# KiCad board kup-lulz.kicad_pcb (continued)
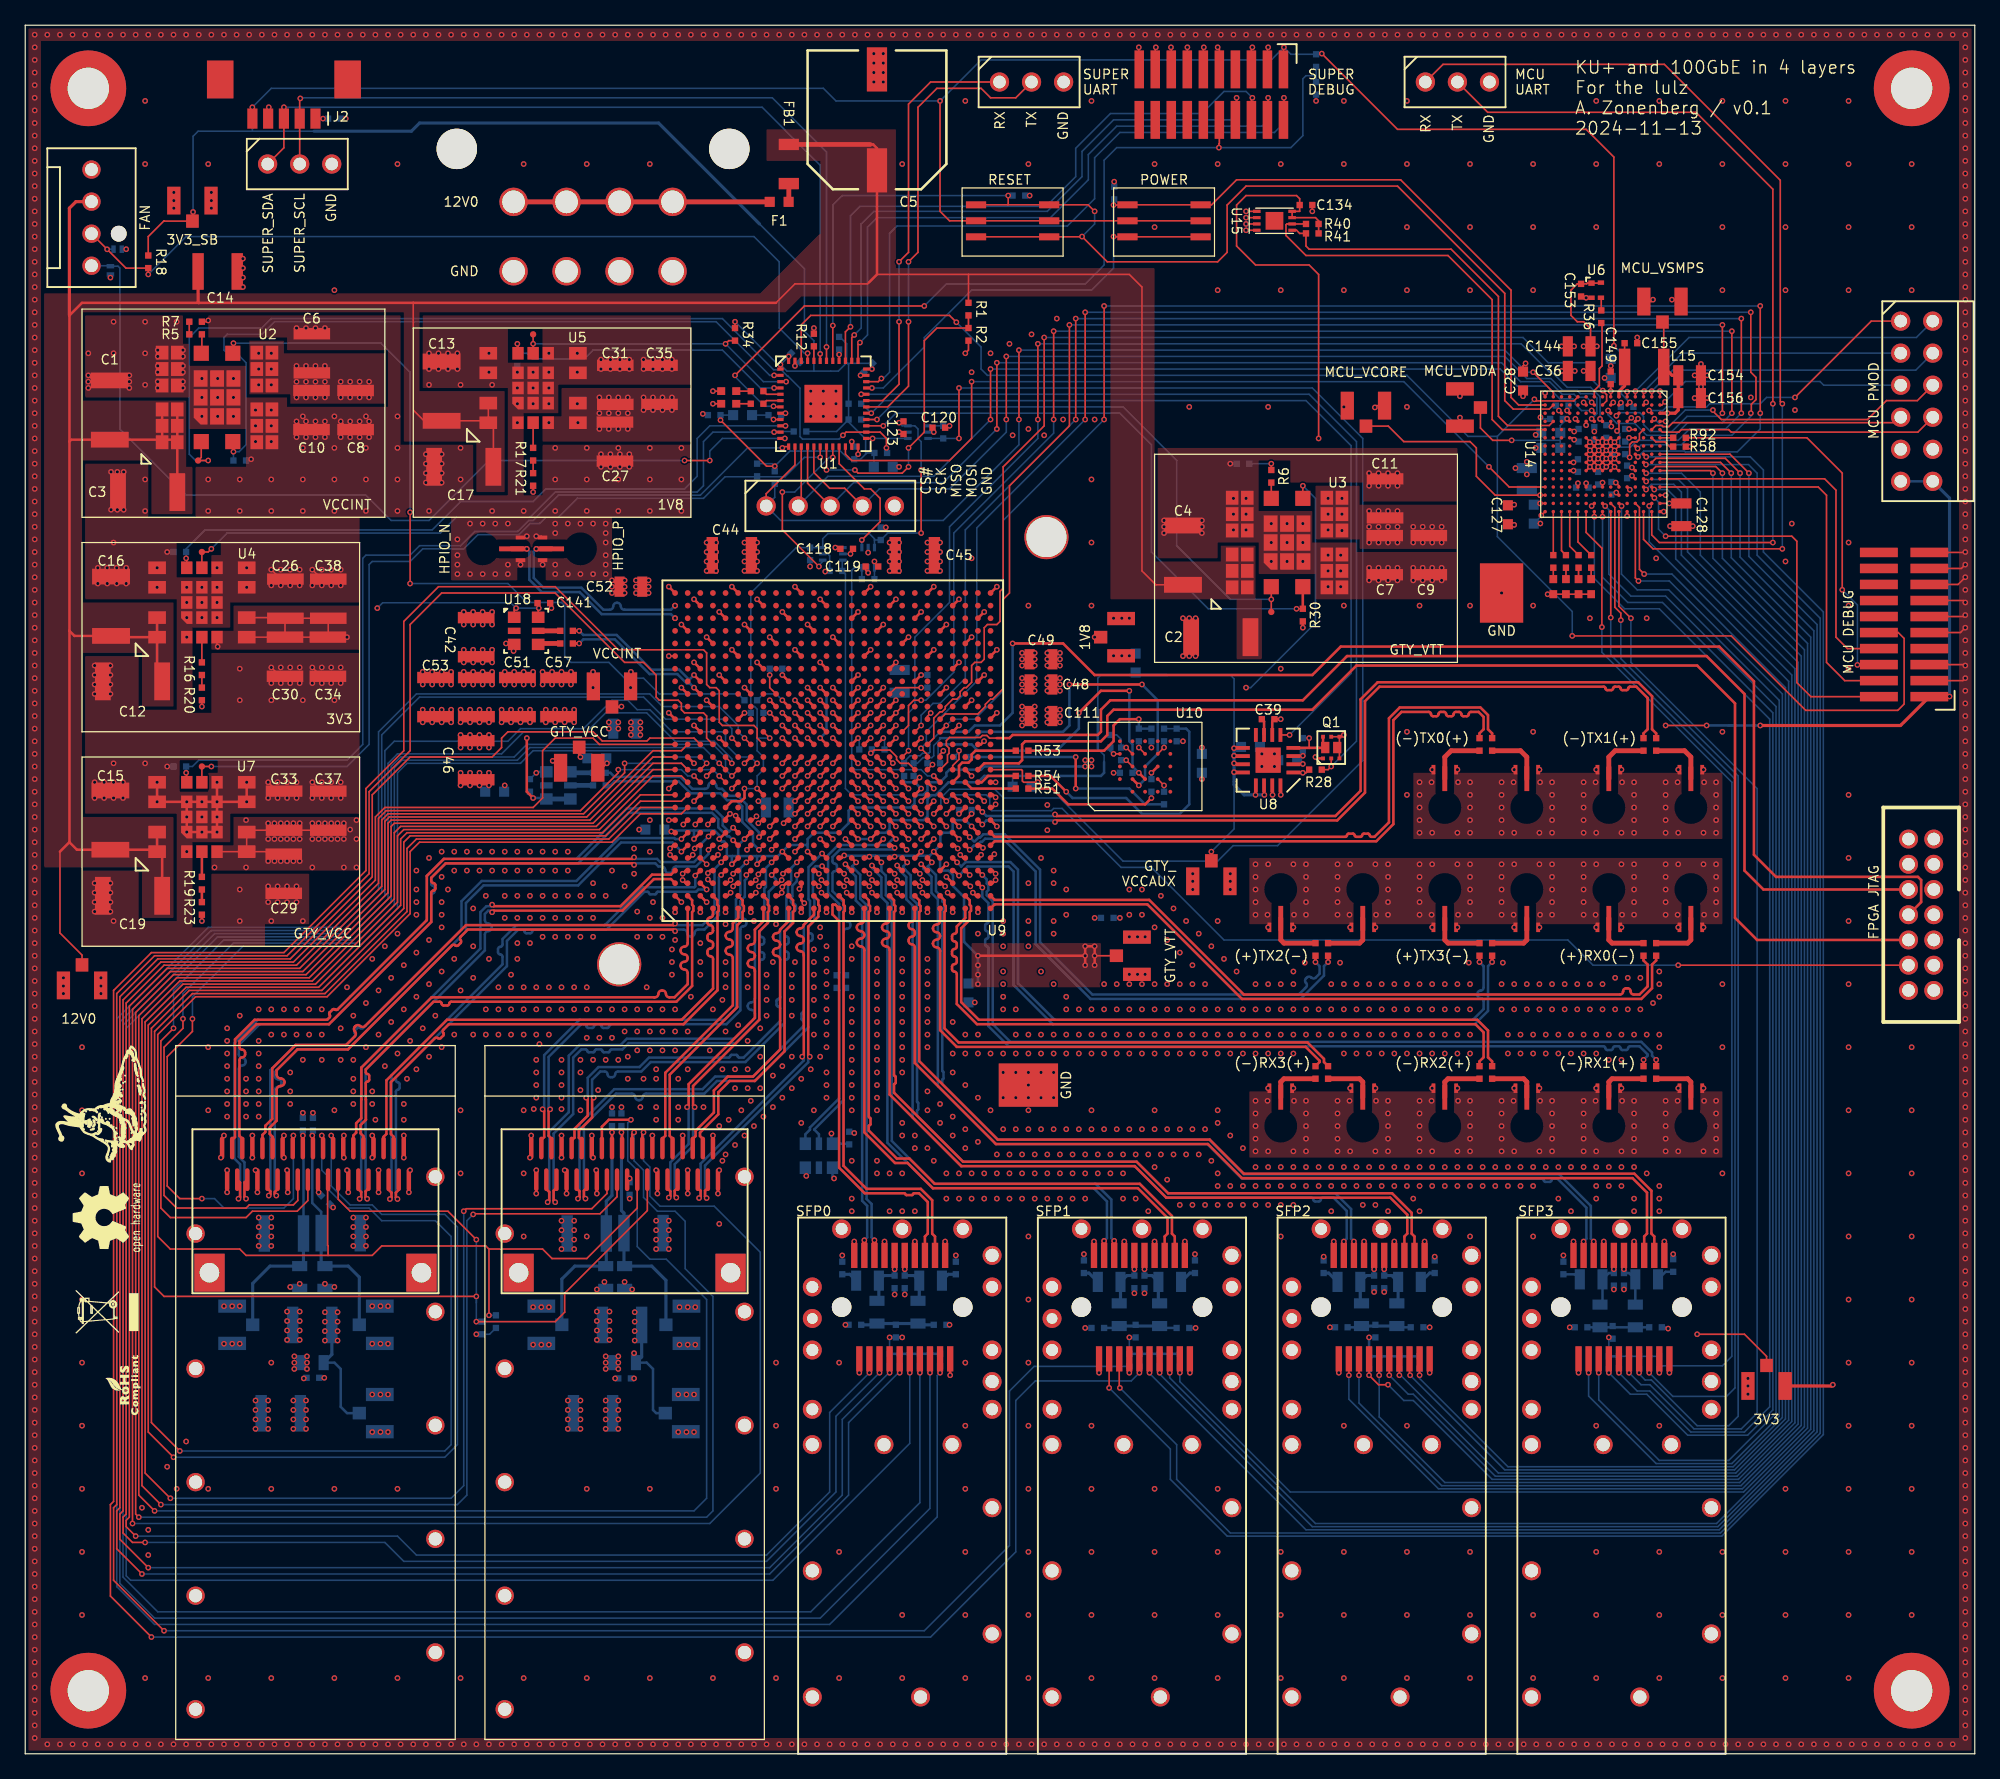
[diagram p0: board, top side]
## Routing (per net, layer and track width the routed paths; a pad name or vN(x,y) marks a point on that pad's centre or on a via; arc(x,y) is an arc through that point) (continued)
v1(107.25,100.5) v1(107.25,94) v1(107.25,93) v1(107.5,61) v1(107.5,59) v1(107.5,57) v1(107.5,55.5) v1(107.5,46.5) v1(107.5,45) v1(107.75,136.25) v1(107.75,0.75) v1(108,101.5) v1(108,100.5) v1(108,94) v1(108,93) v1(108,69.5) v1(108,68.5) v1(108,67.5) v1(108,50.75) v1(108,49.75) v1(108,48.75) v1(108,43) v1(108.5,61) v1(108.5,59) v1(108.5,57) v1(108.5,55.5) v1(108.5,46.5) v1(108.5,45) v1(108.75,136.25) v1(108.75,0.75) v1(109.5,131) v1(109.5,126) v1(109.5,121) v1(109.5,116) v1(109.5,81) v1(109.5,76) v1(109.5,61) v1(109.5,59) v1(109.5,57) v1(109.5,55.5) v1(109.5,46.5) v1(109.5,45) v1(109.5,26) v1(109.5,16) v1(109.5,11) v1(109.5,6) v1(109.75,136.25) v1(109.75,0.75) v1(110,44) v1(110.5,91) v1(110.5,76) v1(110.5,75) v1(110.5,74) v1(110.5,69.5) v1(110.5,68.5) v1(110.5,67.5) v1(110.5,61) v1(110.5,59) v1(110.5,57) v1(110.5,55.5) v1(110.5,50.75) v1(110.5,49.75) v1(110.5,48.75) v1(110.5,46.5) v1(110.5,45) v1(110.5,43) v1(110.75,136.25) v1(110.75,94) v1(110.75,93) v1(110.75,0.75) v1(111.45,66.5) v1(111.45,51.75) v1(111.5,94) v1(111.5,93) v1(111.5,73) v1(111.5,70.5) v1(111.5,61) v1(111.5,59) v1(111.5,57) v1(111.5,55.5) v1(111.5,47.75) v1(111.5,46.5) v1(111.5,45) v1(111.75,136.25) v1(111.75,0.75) v1(112.5,61) v1(112.5,59) v1(112.5,57) v1(112.5,55.5) v1(112.5,46.5) v1(112.5,45) v1(112.75,136.25) v1(112.75,0.75) v1(113.5,73) v1(113.5,70.5) v1(113.5,61) v1(113.5,59) v1(113.5,57) v1(113.5,55.5) v1(113.5,47.75) v1(113.5,46.5) v1(113.5,45) v1(113.55,66.5) v1(113.55,51.75) v1(113.75,136.25) v1(113.75,0.75) v1(114.4,62.7) v1(114.5,126) v1(114.5,121) v1(114.5,116) v1(114.5,91) v1(114.5,76) v1(114.5,75) v1(114.5,74) v1(114.5,69.5) v1(114.5,68.5) v1(114.5,67.5) v1(114.5,61) v1(114.5,59) v1(114.5,57) v1(114.5,55.5) v1(114.5,50.75) v1(114.5,49.75) v1(114.5,48.75) v1(114.5,46.5) v1(114.5,45) v1(114.5,41) v1(114.5,16) v1(114.5,11) v1(114.5,6) v1(114.75,136.25) v1(114.75,0.75) v1(115.5,46.5) v1(115.5,45) v1(115.75,136.25) v1(115.75,0.75) v1(116.5,46.5) v1(116.5,45) v1(116.75,136.25) v1(116.75,0.75) v1(117,76) v1(117,75) v1(117,74) v1(117,69.5) v1(117,68.5) v1(117,67.5) v1(117,61) v1(117,59) v1(117,50.75) v1(117,49.75) v1(117,48.75) v1(117.1,62.7) v1(117.5,57) v1(117.5,55.5) v1(117.5,46.5) v1(117.5,45) v1(117.75,136.25) v1(117.75,0.75) v1(117.95,66.5) v1(117.95,51.75) v1(118,73) v1(118,70.5) v1(118,61) v1(118,59) v1(118,47.75) v1(118.5,57) v1(118.5,55.5) v1(118.5,46.5) v1(118.5,45) v1(118.75,136.25) v1(118.75,0.75) v1(119,61) v1(119,59) v1(119.5,126) v1(119.5,121) v1(119.5,116) v1(119.5,91) v1(119.5,81) v1(119.5,57) v1(119.5,55.5) v1(119.5,46.5) v1(119.5,45) v1(119.5,41) v1(119.5,11) v1(119.5,6) v1(119.75,136.25) v1(119.75,0.75) v1(120,73) v1(120,70.5) v1(120,61) v1(120,59) v1(120,47.75) v1(120.05,66.5) v1(120.05,51.75) v1(120.5,57) v1(120.5,55.5) v1(120.5,46.5) v1(120.75,136.25) v1(120.75,0.75) v1(121,76) v1(121,75) v1(121,74) v1(121,69.5) v1(121,68.5) v1(121,67.5) v1(121,61) v1(121,59) v1(121,50.75) v1(121,49.75) v1(121,48.75) v1(121.5,57) v1(121.5,55.5) v1(121.5,46.5) v1(121.5,44) v1(121.75,136.25) v1(121.75,0.75) v1(122,61) v1(122,59) v1(122.5,57) v1(122.5,55.5) v1(122.5,46.5) v1(122.5,43) v1(122.75,136.25) v1(122.75,0.75) v1(123,61) v1(123,59) v1(123.5,76) v1(123.5,75) v1(123.5,74) v1(123.5,69.5) v1(123.5,68.5) v1(123.5,67.5) v1(123.5,57) v1(123.5,55.5) v1(123.5,50.75) v1(123.5,49.75) v1(123.5,48.75) v1(123.5,46.5) v1(123.75,136.25) v1(123.75,0.75) v1(124,90) v1(124,61) v1(124,59) v1(124.45,66.5) v1(124.45,51.75) v1(124.5,131) v1(124.5,126) v1(124.5,121) v1(124.5,73) v1(124.5,70.5) v1(124.5,57) v1(124.5,55.5) v1(124.5,47.75) v1(124.5,46.5) v1(124.5,45) v1(124.5,44) v1(124.5,26) v1(124.5,16) v1(124.5,11) v1(124.5,6) v1(124.75,136.25) v1(124.75,0.75) v1(125,61) v1(125,59) v1(125.5,57) v1(125.5,55) v1(125.5,46.5) v1(125.5,45) v1(125.75,136.25) v1(125.75,0.75) v1(126,61.5) v1(126,59) v1(126.5,73) v1(126.5,70.5) v1(126.5,57) v1(126.5,55) v1(126.5,47.75) v1(126.5,46.5) v1(126.5,45) v1(126.55,66.5) v1(126.55,51.75) v1(126.75,136.25) v1(126.75,0.75) v1(127,61.5) v1(127,59) v1(127.5,76) v1(127.5,75) v1(127.5,74) v1(127.5,69.5) v1(127.5,68.5) v1(127.5,67.5) v1(127.5,57) v1(127.5,50.75) v1(127.5,49.75) v1(127.5,48.75) v1(127.5,46.5) v1(127.5,44) v1(127.5,43) v1(127.75,136.25) v1(127.75,0.75) v1(128,61.5) v1(128,59) v1(128.5,90) v1(128.5,57) v1(128.5,46) v1(128.75,136.25) v1(128.75,0.75) v1(129,59.5) v1(129.25,94.75) v1(129.5,131) v1(129.5,126) v1(129.5,62) v1(129.5,61) v1(129.5,60) v1(129.5,57) v1(129.5,56) v1(129.5,45) v1(129.5,44) v1(129.5,43) v1(129.5,26) v1(129.5,16) v1(129.5,11) v1(129.5,6) v1(129.75,136.25) v1(129.75,0.75) v1(130,76) v1(130,75) v1(130,74) v1(130,69.5) v1(130,68.5) v1(130,67.5) v1(130,50.75) v1(130,49.75) v1(130,48.75) v1(130.75,136.25) v1(130.75,0.75) v1(130.95,66.5) v1(130.95,51.75) v1(131,73) v1(131,70.5) v1(131,47.75) v1(131.75,136.25) v1(131.75,0.75) v1(132.75,136.25) v1(132.75,0.75) v1(133,73) v1(133,70.5) v1(133,47.75) v1(133.05,66.5) v1(133.05,51.75) v1(133.75,136.25) v1(133.75,0.75) v1(134,76) v1(134,75) v1(134,74) v1(134,69.5) v1(134,68.5) v1(134,67.5) v1(134,50.75) v1(134,49.75) v1(134,48.75) v1(134.5,131) v1(134.5,126) v1(134.5,121) v1(134.5,116) v1(134.5,81) v1(134.5,61) v1(134.5,56) v1(134.5,46) v1(134.5,16) v1(134.5,11) v1(134.5,6) v1(134.75,136.25) v1(134.75,0.75) v1(135.75,136.25) v1(135.75,0.75) v1(136.53,29.15) v1(136.75,136.25) v1(136.75,107.5) v1(136.75,0.75) v1(137.75,136.25) v1(137.75,0.75) v1(138.75,136.25) v1(138.75,0.75) v1(139.5,131) v1(139.5,126) v1(139.5,121) v1(139.5,116) v1(139.5,94.5) v1(139.5,21) v1(139.5,16) v1(139.5,11) v1(139.5,6) v1(139.75,136.25) v1(139.75,0.75) v1(140,97.5) v1(140.25,106.5) v1(140.75,136.25) v1(140.75,0.75) v1(141.75,136.25) v1(141.75,0.75) v1(142.75,136.25) v1(142.75,0.75) v1(143.75,136.25) v1(143.75,0.75) v1(144.5,131) v1(144.5,126) v1(144.5,121) v1(144.5,116) v1(144.5,96) v1(144.5,91) v1(144.5,86) v1(144.5,76) v1(144.5,71) v1(144.5,66) v1(144.5,61) v1(144.5,56) v1(144.5,51) v1(144.5,46) v1(144.5,41) v1(144.5,36) v1(144.5,26) v1(144.5,21) v1(144.5,16) v1(144.5,11) v1(144.5,6) v1(144.75,136.25) v1(144.75,0.75) v1(145.75,136.25) v1(145.75,0.75) v1(146.75,136.25) v1(146.75,0.75) v1(147.75,136.25) v1(147.75,0.75) v1(148.75,136.25) v1(148.75,0.75) v1(149.5,126) v1(149.5,121) v1(149.5,116) v1(149.5,56) v1(149.5,51) v1(149.5,46) v1(149.5,41) v1(149.5,36) v1(149.5,31) v1(149.5,26) v1(149.5,21) v1(149.5,16) v1(149.5,11) v1(149.75,136.25) v1(149.75,0.75) v1(150.75,136.25) v1(150.75,0.75) v1(151.75,136.25) v1(151.75,0.75) v1(152.75,136.25) v1(152.75,0.75) v1(153.75,136.25) v1(153.75,135.25) v1(153.75,134.25) v1(153.75,133.25) v1(153.75,132.25) v1(153.75,131.25) v1(153.75,130.25) v1(153.75,129.25) v1(153.75,128.25) v1(153.75,127.25) v1(153.75,126.25) v1(153.75,125.25) v1(153.75,124.25) v1(153.75,123.25) v1(153.75,122.25) v1(153.75,121.25) v1(153.75,120.25) v1(153.75,119.25) v1(153.75,118.25) v1(153.75,117.25) v1(153.75,116.25) v1(153.75,115.25) v1(153.75,114.25) v1(153.75,113.25) v1(153.75,112.25) v1(153.75,111.25) v1(153.75,110.25) v1(153.75,109.25) v1(153.75,108.25) v1(153.75,107.25) v1(153.75,106.25) v1(153.75,105.25) v1(153.75,104.25) v1(153.75,103.25) v1(153.75,102.25) v1(153.75,101.25) v1(153.75,100.25) v1(153.75,99.25) v1(153.75,98.25) v1(153.75,97.25) v1(153.75,96.25) v1(153.75,92.25) v1(153.75,88.25) v1(153.75,87.25) v1(153.75,84.25) v1(153.75,83.25) v1(153.75,82.25) v1(153.75,81.25) v1(153.75,80.25) v1(153.75,79.25) v1(153.75,78.25) v1(153.75,77.25) v1(153.75,76.25) v1(153.75,75.25) v1(153.75,74.25) v1(153.75,73.25) v1(153.75,72.25) v1(153.75,71.25) v1(153.75,70.25) v1(153.75,69.25) v1(153.75,68.25) v1(153.75,67.25) v1(153.75,66.25) v1(153.75,65.25) v1(153.75,64.25) v1(153.75,63.25) v1(153.75,62.25) v1(153.75,61.25) v1(153.75,60.25) v1(153.75,59.25) v1(153.75,58.25) v1(153.75,57.25) v1(153.75,56.25) v1(153.75,55.25) v1(153.75,54.25) v1(153.75,53.25) v1(153.75,52.25) v1(153.75,51.25) v1(153.75,50.25) v1(153.75,49.25) v1(153.75,48.25) v1(153.75,47.25) v1(153.75,46.25) v1(153.75,45.25) v1(153.75,44.25) v1(153.75,43.25) v1(153.75,42.25) v1(153.75,41.25) v1(153.75,40.25) v1(153.75,39.25) v1(153.75,38.25) v1(153.75,37.25) v1(153.75,36.25) v1(153.75,35.25) v1(153.75,34.25) v1(153.75,33.25) v1(153.75,32.25) v1(153.75,31.25) v1(153.75,30.25) v1(153.75,29.25) v1(153.75,28.25) v1(153.75,27.25) v1(153.75,26.25) v1(153.75,25.25) v1(153.75,24.25) v1(153.75,23.25) v1(153.75,22.25) v1(153.75,21.25) v1(153.75,20.25) v1(153.75,19.25) v1(153.75,18.25) v1(153.75,17.25) v1(153.75,16.25) v1(153.75,15.25) v1(153.75,14.25) v1(153.75,13.25) v1(153.75,12.25) v1(153.75,11.25) v1(153.75,10.25) v1(153.75,9.25) v1(153.75,8.25) v1(153.75,7.25) v1(153.75,6.25) v1(153.75,5.25) v1(153.75,4.25) v1(153.75,3.25) v1(153.75,2.25) v1(153.75,1.25)
